# KiCad board pi60_HSE_v1.1.kicad_pcb (continued)
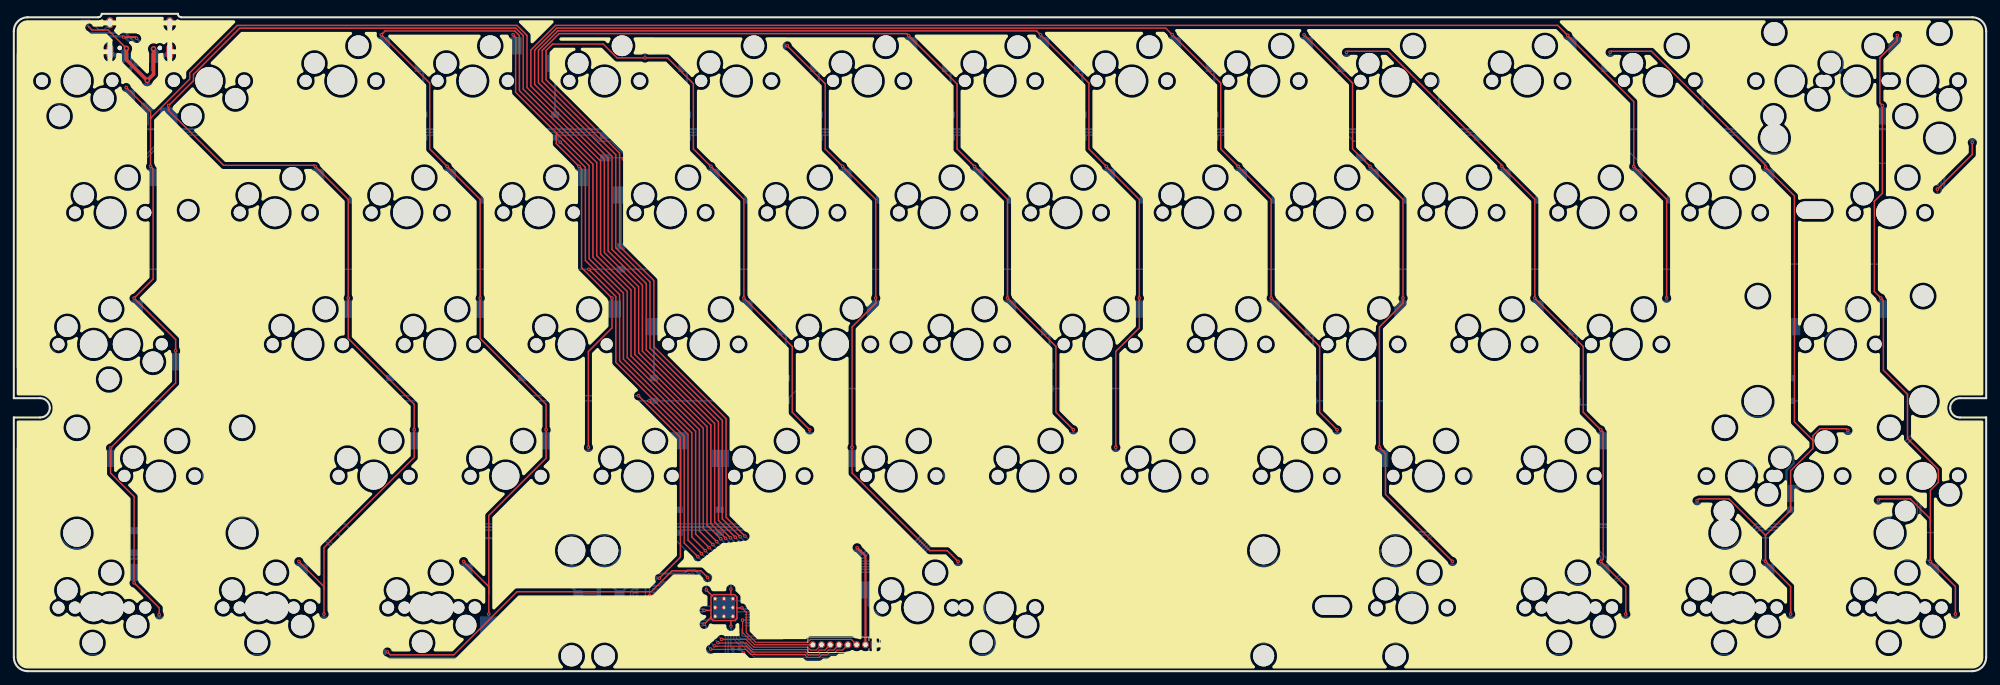
[diagram p0: board, top side]
## Copper pours and planes (outline as drawn; the poured copper is in the pictures) (continued)
+5V on Bottom: 16.56,77.22 16.67,77.22 16.77,77.22 16.85,77.21 16.93,77.19 16.99,77.18 17.06,77.16 17.12,77.13 17.18,77.1 17.34,77.02 17.8,77.47 17.34,77.92 17.18,77.85 17.12,77.82 17.06,77.79 16.99,77.77 16.93,77.76 16.85,77.74 16.77,77.73 16.67,77.73 16.56,77.72
+5V on Bottom: 127.46,78.14 127.39,78.07 127.32,78.02 127.26,77.99 127.19,77.97 127.13,77.96 127.07,77.96 127,77.96 126.85,77.97 126.77,77.97 126.52,77.37 127.13,77.15 127.2,77.24 127.26,77.32 127.3,77.39 127.37,77.53 127.41,77.6 127.46,77.67 127.51,77.75 127.58,77.83 127.67,77.93
+5V on Bottom: 91.06,78.14 90.99,78.07 90.92,78.03 90.86,77.99 90.79,77.97 90.73,77.96 90.67,77.96 90.6,77.96 90.45,77.97 90.37,77.97 90.12,77.37 90.73,77.15 90.8,77.24 90.86,77.32 90.9,77.39 90.98,77.53 91.01,77.6 91.06,77.67 91.11,77.75 91.18,77.83 91.27,77.93
+5V on Bottom: 273.27,77.02 273.18,77.11 273.11,77.19 273.05,77.27 273.01,77.34 272.97,77.41 272.9,77.55 272.86,77.62 272.8,77.7 272.73,77.79 272.12,77.58 272.36,76.97 272.44,76.98 272.6,76.99 272.66,76.99 272.73,76.99 272.79,76.98 272.85,76.95 272.91,76.92 272.98,76.87 273.06,76.8
+5V on Bottom: 19.52,80.37 19.52,80.51 19.54,80.63 19.55,80.74 19.58,80.83 19.61,80.91 19.64,80.99 19.68,81.06 19.78,81.24 19.83,81.35 19.27,81.93 18.71,81.35 18.76,81.24 18.86,81.06 18.9,80.99 18.93,80.91 18.96,80.83 18.99,80.74 19.01,80.63 19.02,80.51 19.02,80.37
+5V on Bottom: 200.26,78.14 200.19,78.07 200.12,78.02 200.06,77.99 199.99,77.97 199.93,77.96 199.87,77.96 199.8,77.96 199.65,77.97 199.57,77.97 199.32,77.37 199.93,77.15 200,77.24 200.06,77.32 200.1,77.39 200.17,77.53 200.21,77.6 200.26,77.67 200.31,77.75 200.38,77.83 200.47,77.93
+5V on Bottom: 82.55,11.36 82.44,11.37 82.34,11.38 82.26,11.4 82.19,11.43 82.13,11.46 82.07,11.49 81.94,11.57 81.87,11.62 81.78,11.66 81.31,11.21 81.78,10.76 81.87,10.81 81.94,10.86 82.07,10.94 82.13,10.97 82.19,11 82.26,11.03 82.34,11.05 82.44,11.06 82.55,11.06
+5V on Bottom: 120.86,16.97 120.97,16.97 121.07,16.96 121.15,16.94 121.22,16.91 121.28,16.88 121.34,16.85 121.47,16.77 121.55,16.72 121.63,16.67 122.1,17.12 121.63,17.57 121.55,17.53 121.47,17.48 121.34,17.4 121.28,17.37 121.22,17.34 121.15,17.31 121.07,17.29 120.97,17.28 120.86,17.27
+5V on Bottom: 49.97,16.67 49.88,16.77 49.81,16.85 49.76,16.93 49.71,17 49.68,17.07 49.6,17.21 49.56,17.28 49.5,17.36 49.44,17.45 48.82,17.23 49.07,16.63 49.15,16.63 49.3,16.64 49.37,16.64 49.43,16.64 49.49,16.63 49.56,16.61 49.62,16.57 49.69,16.53 49.76,16.46
+5V on Bottom: 53.03,77.93 53.12,77.83 53.19,77.75 53.25,77.67 53.29,77.6 53.33,77.53 53.4,77.39 53.45,77.32 53.5,77.24 53.57,77.15 54.18,77.37 53.94,77.97 53.85,77.97 53.7,77.96 53.63,77.96 53.57,77.96 53.51,77.97 53.45,77.99 53.38,78.02 53.32,78.07 53.24,78.14
+5V on Bottom: 263.01,16.67 262.92,16.76 262.85,16.84 262.79,16.92 262.75,16.99 262.71,17.06 262.64,17.2 262.6,17.27 262.54,17.35 262.48,17.44 261.86,17.23 262.1,16.62 262.19,16.63 262.34,16.64 262.4,16.64 262.47,16.64 262.53,16.62 262.59,16.6 262.66,16.57 262.72,16.52 262.8,16.45
+5V on Bottom: 125.83,77.93 125.92,77.83 125.99,77.75 126.05,77.67 126.09,77.6 126.13,77.53 126.2,77.39 126.25,77.32 126.3,77.24 126.37,77.15 126.98,77.37 126.74,77.97 126.65,77.97 126.5,77.96 126.43,77.96 126.37,77.96 126.31,77.97 126.25,77.99 126.18,78.02 126.12,78.07 126.04,78.14
+5V on Bottom: 163.86,78.15 163.78,78.08 163.72,78.03 163.65,78 163.59,77.98 163.53,77.96 163.46,77.96 163.4,77.96 163.25,77.97 163.16,77.97 162.92,77.37 163.54,77.16 163.61,77.25 163.66,77.33 163.7,77.4 163.77,77.54 163.81,77.61 163.85,77.68 163.91,77.76 163.98,77.84 164.07,77.93
+5V on Bottom: 11.66,16.87 11.77,16.87 11.87,16.87 11.95,16.86 12.03,16.84 12.09,16.83 12.16,16.81 12.22,16.78 12.28,16.75 12.44,16.67 12.9,17.12 12.44,17.57 12.28,17.5 12.22,17.47 12.16,17.44 12.09,17.42 12.03,17.41 11.95,17.39 11.87,17.38 11.77,17.38 11.66,17.37
+5V on Bottom: 18.08,78.35 18,78.27 17.93,78.21 17.86,78.16 17.8,78.12 17.74,78.08 17.68,78.05 17.62,78.03 17.55,78 17.39,77.95 17.38,77.3 18.03,77.31 18.08,77.47 18.11,77.54 18.13,77.6 18.16,77.66 18.2,77.72 18.24,77.78 18.29,77.85 18.35,77.92 18.43,78
+5V on Bottom: 122.84,17.27 122.73,17.28 122.63,17.29 122.55,17.31 122.48,17.34 122.42,17.37 122.36,17.4 122.23,17.48 122.16,17.53 122.07,17.57 121.6,17.12 122.07,16.67 122.16,16.72 122.23,16.77 122.36,16.85 122.42,16.88 122.48,16.91 122.55,16.94 122.63,16.96 122.73,16.97 122.84,16.97
+5V on Bottom: 190.92,17.58 191.01,17.48 191.08,17.4 191.14,17.32 191.18,17.25 191.22,17.18 191.29,17.04 191.34,16.97 191.39,16.89 191.46,16.8 192.07,17.02 191.83,17.62 191.74,17.62 191.59,17.61 191.52,17.61 191.46,17.61 191.4,17.62 191.34,17.64 191.27,17.67 191.21,17.72 191.13,17.79
+5V on Bottom: 54.66,78.14 54.59,78.07 54.52,78.03 54.46,77.99 54.39,77.97 54.33,77.96 54.27,77.96 54.2,77.96 54.05,77.97 53.97,77.97 53.72,77.37 54.34,77.15 54.4,77.24 54.46,77.32 54.5,77.39 54.58,77.53 54.61,77.6 54.66,77.67 54.71,77.75 54.78,77.83 54.87,77.93
+5V on Bottom: 13.57,16.67 13.48,16.76 13.41,16.84 13.36,16.92 13.31,16.99 13.28,17.06 13.2,17.2 13.16,17.27 13.11,17.35 13.04,17.44 12.43,17.23 12.66,16.62 12.75,16.63 12.9,16.64 12.96,16.64 13.03,16.64 13.09,16.62 13.15,16.6 13.22,16.57 13.28,16.52 13.36,16.45
+5V on Bottom: 236.66,78.14 236.59,78.07 236.52,78.02 236.46,77.99 236.39,77.97 236.33,77.96 236.27,77.96 236.2,77.96 236.05,77.97 235.97,77.97 235.72,77.37 236.33,77.15 236.4,77.24 236.46,77.32 236.5,77.39 236.57,77.53 236.61,77.6 236.66,77.67 236.71,77.75 236.78,77.83 236.87,77.93
+5V on Bottom: 48.58,17.88 48.63,17.82 48.66,17.77 48.69,17.72 48.7,17.66 48.7,17.61 48.69,17.56 48.67,17.51 48.65,17.45 48.6,17.33 49.06,16.87 49.41,17.48 48.79,18.09
+5V on Bottom: 231.76,17.78 231.69,17.71 231.63,17.66 231.56,17.63 231.5,17.61 231.44,17.6 231.38,17.6 231.31,17.6 231.17,17.62 231.08,17.62 230.82,17.03 231.42,16.79 231.49,16.88 231.55,16.96 231.6,17.03 231.64,17.1 231.71,17.23 231.76,17.31 231.82,17.38 231.89,17.47 231.98,17.56
+5V on Bottom: 89.43,77.93 89.52,77.84 89.59,77.76 89.65,77.68 89.69,77.61 89.73,77.54 89.8,77.4 89.84,77.33 89.9,77.25 89.97,77.16 90.58,77.37 90.34,77.97 90.26,77.97 90.11,77.96 90.04,77.96 89.97,77.96 89.91,77.97 89.85,78 89.79,78.03 89.72,78.08 89.65,78.15
+5V on Bottom: 162.23,77.93 162.32,77.83 162.39,77.75 162.44,77.67 162.49,77.6 162.53,77.53 162.6,77.39 162.64,77.32 162.7,77.24 162.77,77.15 163.38,77.37 163.13,77.97 163.05,77.97 162.9,77.96 162.83,77.96 162.77,77.96 162.71,77.97 162.65,77.99 162.58,78.02 162.52,78.07 162.44,78.14
+5V on Bottom: 235.03,77.93 235.12,77.84 235.19,77.76 235.25,77.68 235.29,77.61 235.33,77.54 235.4,77.4 235.44,77.33 235.49,77.25 235.56,77.16 236.18,77.37 235.94,77.97 235.85,77.97 235.7,77.96 235.64,77.96 235.57,77.96 235.51,77.98 235.45,78 235.39,78.03 235.32,78.08 235.25,78.15
+5V on Bottom: 198.63,77.93 198.72,77.83 198.79,77.75 198.84,77.67 198.89,77.6 198.93,77.53 199,77.39 199.04,77.32 199.1,77.24 199.17,77.15 199.78,77.37 199.53,77.97 199.45,77.97 199.3,77.96 199.23,77.96 199.17,77.96 199.11,77.97 199.05,77.99 198.98,78.03 198.92,78.07 198.84,78.14
GND on Top, Bottom: 24.03,94.92 285.38,94.92 285.38,-0.33 -0.37,-0.33 -0.37,94.92 12.13,94.92 12.13,95.52 24.03,95.52
/RUN on Top: 114.45,3.75 114.57,3.74 114.66,3.73 114.74,3.7 114.81,3.66 114.87,3.62 114.93,3.58 114.99,3.53 115.05,3.48 115.13,3.43 115.22,3.37 115.69,3.82 115.22,4.27 115.13,4.22 115.05,4.17 114.99,4.12 114.93,4.07 114.87,4.03 114.81,3.99 114.74,3.95 114.66,3.92 114.57,3.91 114.45,3.9
C5 on Bottom: 147.9,4.83 148.12,5.03 148.32,5.16 148.52,5.25 148.7,5.3 148.89,5.32 149.08,5.33 149.28,5.34 149.5,5.36 149.73,5.4 150,5.48 150.03,7.1 148.41,7.07 148.33,6.81 148.29,6.57 148.27,6.36 148.26,6.15 148.25,5.96 148.23,5.78 148.18,5.59 148.09,5.4 147.95,5.19 147.75,4.97
C5 on Bottom: 138.29,12.59 138.09,12.82 137.95,13.02 137.86,13.22 137.81,13.41 137.78,13.59 137.77,13.79 137.76,13.99 137.74,14.2 137.69,14.44 137.61,14.71 135.99,14.72 136.04,13.09 136.31,13.02 136.54,12.98 136.76,12.97 136.96,12.96 137.15,12.95 137.34,12.92 137.53,12.87 137.72,12.79 137.93,12.65 138.15,12.45
C9 on Bottom: 206.1,12.43 206.35,12.45 206.56,12.49 206.74,12.56 206.89,12.64 207.02,12.73 207.16,12.82 207.3,12.9 207.46,12.97 207.65,13.01 207.87,13.03 208.31,14.72 206.69,14.69 206.63,14.41 206.61,14.13 206.63,13.85 206.66,13.57 206.68,13.32 206.68,13.09 206.64,12.9 206.54,12.76 206.37,12.66 206.1,12.63
C10 on Bottom: 229.12,16.66 229.28,16.46 229.34,16.27 229.32,16.1 229.22,15.94 229.08,15.78 228.9,15.62 228.7,15.45 228.5,15.26 228.32,15.06 228.18,14.82 229.31,13.65 230.19,15.16 230.04,15.34 229.93,15.5 229.85,15.65 229.8,15.81 229.75,15.96 229.71,16.11 229.64,16.27 229.56,16.43 229.44,16.61 229.26,16.8
C12 on Bottom: 254.81,73.27 254.59,73.07 254.38,72.93 254.19,72.84 254,72.79 253.81,72.77 253.62,72.76 253.42,72.75 253.21,72.73 252.97,72.69 252.71,72.61 252.67,70.99 254.3,71.02 254.37,71.28 254.41,71.52 254.43,71.74 254.44,71.94 254.45,72.13 254.48,72.32 254.53,72.5 254.62,72.7 254.75,72.9 254.95,73.13
C12 on Bottom: 275.1,73.12 275.3,72.9 275.43,72.69 275.52,72.5 275.57,72.31 275.59,72.13 275.6,71.93 275.61,71.73 275.63,71.52 275.67,71.28 275.75,71.02 277.37,70.99 277.34,72.61 277.08,72.69 276.84,72.73 276.62,72.75 276.42,72.75 276.23,72.77 276.05,72.79 275.86,72.84 275.67,72.93 275.46,73.06 275.24,73.26
C12 on Bottom: 243.16,24.75 243.11,24.69 243.08,24.62 243.07,24.55 243.06,24.48 243.07,24.41 243.08,24.35 243.1,24.29 243.13,24.21 244.11,22.62 243.32,24.32 243.27,24.42 243.26,24.46 243.26,24.5 243.26,24.53 243.27,24.57 243.3,24.6
C12 on Bottom: 252.29,15.95 252.43,15.93 252.5,15.88 252.53,15.8 252.5,15.69 252.44,15.56 252.36,15.42 252.27,15.27 252.17,15.12 252.07,14.97 251.99,14.83 253.12,13.66 253.12,15.53 253,15.55 252.9,15.59 252.83,15.66 252.78,15.75 252.73,15.84 252.67,15.93 252.61,16.02 252.53,16.09 252.43,16.13 252.29,16.15
C13 on Bottom: 269.35,24.84 269.29,24.77 269.26,24.69 269.24,24.61 269.24,24.52 269.25,24.44 269.27,24.37 269.29,24.31 269.33,24.22 270.31,22.62 269.51,24.31 269.46,24.41 269.45,24.45 269.44,24.5 269.43,24.55 269.44,24.6 269.45,24.65 269.49,24.69
C13 on Bottom: 268.11,78.75 268.37,78.76 268.59,78.78 268.78,78.82 268.95,78.86 269.1,78.91 269.25,78.96 269.4,79 269.57,79.04 269.77,79.06 270.01,79.07 270.46,80.76 268.83,80.74 268.77,80.5 268.74,80.24 268.73,80 268.73,79.76 268.72,79.54 268.7,79.35 268.64,79.18 268.53,79.06 268.36,78.98 268.11,78.95
C13 on Bottom: 276.1,15.93 276.23,15.91 276.31,15.86 276.33,15.78 276.31,15.67 276.25,15.55 276.17,15.41 276.07,15.27 275.98,15.12 275.88,14.97 275.81,14.82 276.93,13.65 276.93,15.53 276.81,15.55 276.72,15.59 276.65,15.66 276.59,15.74 276.54,15.83 276.48,15.92 276.42,16 276.34,16.07 276.23,16.11 276.1,16.13
C13 on Bottom: 250.04,78.45 249.93,78.6 249.92,78.71 249.98,78.79 250.1,78.86 250.27,78.91 250.48,78.96 250.94,79.03 251.17,79.08 251.37,79.14 251.4,80.76 250.08,79.44 250.15,79.33 250.16,79.22 250.12,79.11 250.05,79 249.97,78.89 249.89,78.78 249.83,78.66 249.8,78.55 249.82,78.43 249.9,78.31
LED on Bottom: 126.01,16.5 126.08,16.56 126.15,16.61 126.22,16.64 126.28,16.66 126.35,16.66 126.41,16.66 126.49,16.65 126.56,16.64 126.64,16.63 126.74,16.63 126.98,17.23 126.37,17.45 126.3,17.36 126.25,17.27 126.21,17.2 126.17,17.12 126.14,17.05 126.11,16.98 126.07,16.9 126.02,16.82 125.96,16.73 125.87,16.64
Net-(D1-Pad2) on Bottom: 2.68,78.09 2.69,78.31 2.74,78.48 2.81,78.62 2.91,78.74 3.02,78.83 3.16,78.9 3.31,78.97 3.48,79.04 3.66,79.11 3.85,79.19 3.7,80.81 2.06,80.32 2.07,80.05 2.09,79.81 2.13,79.61 2.17,79.43 2.22,79.25 2.27,79.07 2.31,78.88 2.35,78.66 2.37,78.4 2.38,78.09
Net-(D2-Pad2) on Bottom: 35.49,80.5 35.51,80.76 35.54,80.98 35.6,81.16 35.67,81.32 35.76,81.46 35.87,81.59 35.98,81.72 36.09,81.86 36.21,82.01 36.33,82.18 35.26,83.48 34.31,82.08 34.44,81.93 34.57,81.79 34.69,81.67 34.81,81.55 34.92,81.42 35.01,81.29 35.09,81.14 35.14,80.96 35.18,80.75 35.19,80.5
Net-(D3-Pad2) on Bottom: 40.26,85.44 40.27,85.73 40.32,85.97 40.39,86.17 40.48,86.33 40.59,86.48 40.71,86.62 40.85,86.77 40.98,86.93 41.13,87.11 41.26,87.34 40.2,88.56 39.02,87.45 39.14,87.2 39.26,87 39.39,86.83 39.51,86.67 39.63,86.52 39.74,86.37 39.83,86.19 39.9,85.99 39.94,85.74 39.96,85.44
Net-(D4-Pad2) on Bottom: 59.31,85.43 59.32,85.72 59.37,85.96 59.44,86.16 59.53,86.33 59.64,86.48 59.76,86.62 59.9,86.76 60.03,86.92 60.17,87.11 60.31,87.34 59.24,88.56 58.07,87.45 58.19,87.2 58.31,87 58.44,86.82 58.57,86.67 58.68,86.52 58.79,86.36 58.88,86.19 58.95,85.98 58.99,85.73 59.01,85.43
Net-(D5-Pad2) on Bottom: 78.36,85.43 78.37,85.72 78.42,85.96 78.49,86.16 78.58,86.33 78.69,86.48 78.81,86.62 78.95,86.76 79.08,86.93 79.22,87.11 79.36,87.34 78.29,88.56 77.12,87.45 77.24,87.2 77.36,87 77.49,86.82 77.62,86.67 77.73,86.52 77.84,86.36 77.93,86.19 78,85.98 78.04,85.73 78.06,85.43
Net-(D6-Pad2) on Bottom: 97.41,85.43 97.42,85.72 97.47,85.96 97.54,86.16 97.63,86.33 97.74,86.48 97.86,86.62 98,86.76 98.13,86.93 98.27,87.11 98.41,87.34 97.34,88.56 96.17,87.45 96.29,87.2 96.41,87 96.54,86.82 96.67,86.67 96.78,86.52 96.89,86.36 96.98,86.19 97.05,85.98 97.09,85.73 97.11,85.43
Net-(D7-Pad2) on Bottom: 116.46,85.43 116.47,85.73 116.52,85.96 116.59,86.16 116.68,86.33 116.79,86.48 116.91,86.62 117.05,86.76 117.18,86.93 117.32,87.11 117.46,87.34 116.39,88.56 115.22,87.45 115.34,87.2 115.46,87 115.59,86.82 115.72,86.67 115.83,86.52 115.94,86.36 116.03,86.19 116.1,85.98 116.14,85.73 116.16,85.43
Net-(D8-Pad2) on Bottom: 135.51,85.43 135.52,85.73 135.57,85.96 135.64,86.16 135.73,86.33 135.84,86.48 135.96,86.62 136.1,86.76 136.23,86.93 136.37,87.11 136.51,87.34 135.44,88.56 134.27,87.45 134.39,87.2 134.51,87 134.64,86.82 134.77,86.67 134.88,86.52 134.99,86.36 135.08,86.19 135.15,85.98 135.19,85.73 135.21,85.43
Net-(D9-Pad2) on Bottom: 154.56,85.43 154.57,85.73 154.62,85.96 154.69,86.16 154.78,86.33 154.89,86.48 155.01,86.62 155.15,86.76 155.28,86.93 155.42,87.11 155.56,87.34 154.49,88.56 153.32,87.45 153.44,87.2 153.56,87 153.69,86.82 153.82,86.67 153.93,86.52 154.04,86.36 154.13,86.19 154.2,85.98 154.24,85.73 154.26,85.43
Net-(D10-Pad2) on Bottom: 173.61,85.43 173.62,85.73 173.67,85.97 173.74,86.16 173.83,86.33 173.94,86.48 174.06,86.62 174.2,86.76 174.33,86.93 174.47,87.12 174.61,87.34 173.54,88.56 172.37,87.45 172.49,87.2 172.61,87 172.74,86.82 172.87,86.67 172.98,86.52 173.09,86.36 173.18,86.19 173.25,85.98 173.29,85.73 173.31,85.43
Net-(D11-Pad2) on Bottom: 206.06,88.04 206.07,88.37 206.12,88.64 206.18,88.87 206.26,89.06 206.35,89.24 206.44,89.42 206.53,89.6 206.62,89.81 206.69,90.05 206.73,90.34 205.29,91.07 204.61,89.59 204.79,89.43 204.96,89.29 205.12,89.18 205.27,89.07 205.41,88.95 205.53,88.83 205.62,88.69 205.7,88.52 205.74,88.31 205.76,88.04
Net-(D12-Pad2) on Bottom: 211.71,85.43 211.72,85.73 211.77,85.97 211.84,86.16 211.93,86.33 212.04,86.48 212.16,86.62 212.3,86.76 212.43,86.93 212.57,87.12 212.71,87.34 211.64,88.56 210.47,87.45 210.59,87.2 210.71,87 210.84,86.82 210.97,86.67 211.08,86.52 211.19,86.36 211.28,86.19 211.35,85.98 211.39,85.73 211.41,85.43
Net-(D13-Pad2) on Bottom: 244.16,88.04 244.17,88.37 244.22,88.64 244.28,88.87 244.36,89.06 244.45,89.24 244.54,89.42 244.63,89.6 244.72,89.81 244.78,90.05 244.83,90.34 243.38,91.07 242.71,89.59 242.89,89.43 243.06,89.29 243.22,89.18 243.37,89.07 243.51,88.95 243.63,88.83 243.72,88.69 243.8,88.52 243.84,88.31 243.86,88.04
Net-(D14-Pad2) on Bottom: 264.09,80.5 264.11,80.76 264.14,80.98 264.2,81.16 264.27,81.32 264.36,81.46 264.47,81.59 264.58,81.72 264.69,81.86 264.81,82.01 264.93,82.18 263.86,83.48 262.91,82.08 263.04,81.93 263.17,81.79 263.29,81.67 263.41,81.55 263.52,81.42 263.61,81.29 263.69,81.14 263.74,80.96 263.78,80.75 263.79,80.5
Net-(D14-Pad2) on Bottom: 260.89,89.81 260.67,89.61 260.47,89.47 260.28,89.38 260.1,89.32 259.91,89.29 259.73,89.28 259.53,89.26 259.32,89.24 259.09,89.2 258.83,89.12 258.8,87.5 260.42,87.53 260.5,87.79 260.54,88.02 260.56,88.23 260.58,88.43 260.59,88.62 260.62,88.8 260.68,88.98 260.77,89.17 260.91,89.37 261.11,89.59
Net-(D14-Pad2) on Bottom: 263.74,85.35 263.72,85.05 263.67,84.81 263.6,84.61 263.51,84.45 263.41,84.29 263.29,84.15 263.16,84 263.02,83.84 262.89,83.64 262.76,83.4 263.89,82.23 265.01,83.4 264.88,83.64 264.75,83.84 264.62,84 264.49,84.15 264.37,84.29 264.26,84.45 264.17,84.61 264.1,84.81 264.05,85.05 264.04,85.35
Net-(D15-Pad2) on Bottom: 283.14,80.5 283.16,80.76 283.19,80.98 283.25,81.16 283.32,81.32 283.41,81.46 283.52,81.59 283.63,81.72 283.74,81.86 283.86,82.01 283.98,82.18 282.91,83.48 281.96,82.08 282.09,81.93 282.22,81.79 282.34,81.67 282.46,81.55 282.57,81.42 282.66,81.29 282.74,81.14 282.79,80.96 282.83,80.75 282.84,80.5
Net-(D16-Pad2) on Bottom: 6.92,66.39 6.94,66.68 6.98,66.92 7.05,67.12 7.14,67.28 7.25,67.43 7.38,67.57 7.51,67.72 7.65,67.88 7.79,68.06 7.93,68.29 6.86,69.51 5.68,68.4 5.8,68.15 5.93,67.95 6.05,67.78 6.18,67.62 6.29,67.47 6.4,67.32 6.49,67.14 6.56,66.94 6.6,66.69 6.62,66.39
Net-(D17-Pad2) on Bottom: 30.73,66.39 30.75,66.68 30.79,66.92 30.86,67.12 30.96,67.28 31.06,67.43 31.19,67.57 31.32,67.72 31.46,67.88 31.6,68.06 31.74,68.29 30.67,69.51 29.49,68.4 29.61,68.15 29.74,67.95 29.86,67.78 29.99,67.62 30.11,67.47 30.21,67.32 30.3,67.14 30.37,66.94 30.42,66.69 30.43,66.39
Net-(D18-Pad2) on Bottom: 49.78,66.38 49.8,66.67 49.84,66.91 49.91,67.11 50,67.28 50.11,67.43 50.24,67.57 50.37,67.71 50.51,67.87 50.65,68.06 50.79,68.29 49.72,69.51 48.54,68.4 48.66,68.15 48.79,67.95 48.92,67.77 49.04,67.62 49.16,67.47 49.26,67.31 49.35,67.14 49.42,66.93 49.47,66.68 49.48,66.38
Net-(D19-Pad2) on Bottom: 68.83,66.38 68.85,66.67 68.89,66.91 68.96,67.11 69.05,67.28 69.16,67.43 69.29,67.57 69.42,67.71 69.56,67.88 69.7,68.06 69.84,68.29 68.77,69.51 67.59,68.4 67.71,68.15 67.84,67.95 67.97,67.77 68.09,67.62 68.21,67.47 68.31,67.31 68.4,67.14 68.47,66.93 68.52,66.68 68.53,66.38
Net-(D20-Pad2) on Bottom: 87.88,66.38 87.9,66.67 87.94,66.91 88.01,67.11 88.1,67.28 88.21,67.43 88.34,67.57 88.47,67.71 88.61,67.88 88.75,68.06 88.89,68.29 87.82,69.51 86.64,68.4 86.76,68.15 86.89,67.95 87.02,67.77 87.14,67.62 87.26,67.47 87.36,67.31 87.45,67.14 87.52,66.93 87.57,66.68 87.58,66.38
Net-(D21-Pad2) on Bottom: 106.93,66.38 106.95,66.68 106.99,66.91 107.06,67.11 107.15,67.28 107.26,67.43 107.39,67.57 107.52,67.71 107.66,67.88 107.8,68.06 107.94,68.29 106.87,69.51 105.69,68.4 105.81,68.15 105.94,67.95 106.07,67.77 106.19,67.62 106.31,67.47 106.41,67.31 106.5,67.14 106.57,66.93 106.62,66.68 106.63,66.38
Net-(D22-Pad2) on Bottom: 125.98,66.38 126,66.68 126.04,66.91 126.11,67.11 126.2,67.28 126.31,67.43 126.44,67.57 126.57,67.71 126.71,67.88 126.85,68.06 126.99,68.29 125.92,69.51 124.74,68.4 124.86,68.15 124.99,67.95 125.12,67.77 125.24,67.62 125.36,67.47 125.46,67.31 125.55,67.14 125.62,66.93 125.67,66.68 125.68,66.38
Net-(D23-Pad2) on Bottom: 145.03,66.38 145.05,66.68 145.09,66.91 145.16,67.11 145.26,67.28 145.36,67.43 145.49,67.57 145.62,67.71 145.76,67.88 145.9,68.07 146.04,68.29 144.97,69.51 143.79,68.4 143.91,68.15 144.04,67.95 144.17,67.77 144.29,67.62 144.41,67.47 144.51,67.31 144.6,67.14 144.67,66.93 144.72,66.68 144.73,66.38
Net-(D24-Pad2) on Bottom: 164.08,66.38 164.1,66.68 164.14,66.92 164.21,67.11 164.31,67.28 164.41,67.43 164.54,67.57 164.67,67.71 164.81,67.88 164.95,68.07 165.09,68.29 164.02,69.51 162.84,68.4 162.96,68.15 163.09,67.95 163.22,67.77 163.34,67.62 163.46,67.47 163.56,67.31 163.65,67.14 163.72,66.93 163.77,66.68 163.78,66.38
Net-(D25-Pad2) on Bottom: 183.13,66.38 183.15,66.68 183.19,66.92 183.26,67.11 183.36,67.28 183.46,67.43 183.59,67.57 183.72,67.71 183.86,67.88 184,68.07 184.14,68.29 183.07,69.51 181.89,68.4 182.01,68.15 182.14,67.95 182.27,67.77 182.39,67.62 182.51,67.47 182.61,67.31 182.7,67.14 182.77,66.93 182.82,66.68 182.83,66.38
Net-(D26-Pad2) on Bottom: 202.18,66.38 202.2,66.68 202.24,66.92 202.31,67.11 202.41,67.28 202.51,67.43 202.64,67.57 202.77,67.71 202.91,67.88 203.05,68.07 203.19,68.29 202.12,69.51 200.94,68.4 201.06,68.15 201.19,67.95 201.32,67.77 201.44,67.62 201.56,67.47 201.66,67.31 201.75,67.14 201.82,66.93 201.87,66.68 201.88,66.38
Net-(D27-Pad2) on Bottom: 221.23,66.38 221.25,66.68 221.29,66.92 221.36,67.11 221.46,67.28 221.56,67.43 221.69,67.57 221.82,67.71 221.96,67.88 222.1,68.07 222.24,68.29 221.17,69.51 219.99,68.4 220.11,68.15 220.24,67.95 220.37,67.77 220.49,67.62 220.61,67.47 220.71,67.31 220.8,67.14 220.87,66.93 220.92,66.68 220.93,66.38
Net-(D28-Pad2) on Bottom: 240.28,66.38 240.3,66.68 240.34,66.92 240.41,67.11 240.51,67.28 240.61,67.43 240.74,67.57 240.87,67.71 241.01,67.88 241.15,68.07 241.29,68.29 240.22,69.51 239.04,68.4 239.16,68.15 239.29,67.95 239.42,67.77 239.54,67.62 239.66,67.47 239.76,67.31 239.85,67.14 239.92,66.93 239.97,66.68 239.98,66.38
Net-(D29-Pad2) on Bottom: 264.09,66.38 264.11,66.68 264.16,66.92 264.23,67.11 264.32,67.28 264.43,67.43 264.55,67.57 264.68,67.71 264.82,67.88 264.96,68.07 265.1,68.29 264.03,69.51 262.85,68.4 262.97,68.15 263.1,67.95 263.23,67.77 263.35,67.62 263.47,67.47 263.58,67.31 263.66,67.14 263.73,66.93 263.78,66.69 263.79,66.38
Net-(D30-Pad2) on Bottom: 4.7,47.51 4.55,47.71 4.49,47.89 4.51,48.05 4.59,48.21 4.73,48.37 4.9,48.53 5.08,48.69 5.27,48.87 5.44,49.07 5.57,49.29 4.45,50.46 3.56,48.96 3.72,48.78 3.82,48.62 3.9,48.46 3.95,48.31 4,48.15 4.04,48 4.11,47.84 4.19,47.67 4.32,47.49 4.49,47.3
Net-(D30-Pad2) on Bottom: 8.59,43.87 8.78,43.65 8.92,43.45 9.01,43.26 9.07,43.08 9.1,42.9 9.12,42.71 9.13,42.51 9.15,42.3 9.2,42.07 9.27,41.81 10.89,41.78 10.86,43.4 10.6,43.48 10.37,43.52 10.16,43.54 9.96,43.56 9.78,43.57 9.59,43.6 9.41,43.66 9.22,43.75 9.02,43.89 8.8,44.09
Net-(D31-Pad2) on Bottom: 35.49,47.34 35.51,47.63 35.56,47.87 35.63,48.07 35.72,48.23 35.83,48.38 35.95,48.52 36.08,48.67 36.22,48.83 36.36,49.02 36.5,49.24 35.43,50.46 34.25,49.35 34.37,49.1 34.5,48.9 34.63,48.73 34.75,48.57 34.87,48.42 34.97,48.27 35.06,48.09 35.13,47.89 35.18,47.64 35.19,47.34
Net-(D32-Pad2) on Bottom: 54.54,47.33 54.56,47.62 54.61,47.86 54.68,48.06 54.77,48.23 54.88,48.38 55,48.52 55.13,48.66 55.27,48.83 55.41,49.01 55.55,49.24 54.48,50.46 53.3,49.35 53.42,49.1 53.55,48.9 53.68,48.72 53.8,48.57 53.92,48.42 54.03,48.26 54.11,48.09 54.18,47.88 54.23,47.63 54.24,47.33
Net-(D33-Pad2) on Bottom: 73.59,47.33 73.61,47.62 73.66,47.86 73.73,48.06 73.82,48.23 73.93,48.38 74.05,48.52 74.18,48.66 74.32,48.83 74.46,49.01 74.6,49.24 73.53,50.46 72.35,49.35 72.47,49.1 72.6,48.9 72.73,48.72 72.85,48.57 72.97,48.42 73.08,48.26 73.16,48.09 73.23,47.88 73.28,47.63 73.29,47.33
Net-(D34-Pad2) on Bottom: 92.64,47.33 92.66,47.63 92.71,47.86 92.78,48.06 92.87,48.23 92.98,48.38 93.1,48.52 93.23,48.66 93.37,48.83 93.51,49.01 93.65,49.24 92.58,50.46 91.4,49.35 91.52,49.1 91.65,48.9 91.78,48.72 91.9,48.57 92.02,48.42 92.13,48.26 92.21,48.09 92.28,47.88 92.33,47.63 92.34,47.33
Net-(D35-Pad2) on Bottom: 111.69,47.33 111.71,47.63 111.76,47.86 111.83,48.06 111.92,48.23 112.03,48.38 112.15,48.52 112.28,48.66 112.42,48.83 112.56,49.01 112.7,49.24 111.63,50.46 110.45,49.35 110.57,49.1 110.7,48.9 110.83,48.72 110.95,48.57 111.07,48.42 111.18,48.26 111.26,48.09 111.33,47.88 111.38,47.63 111.39,47.33
Net-(D36-Pad2) on Bottom: 131.15,47.38 131.17,47.7 131.21,47.97 131.28,48.19 131.36,48.39 131.45,48.56 131.55,48.73 131.65,48.91 131.74,49.11 131.82,49.35 131.88,49.63 130.48,50.44 129.72,49 129.9,48.83 130.07,48.68 130.23,48.55 130.37,48.44 130.51,48.32 130.62,48.19 130.72,48.04 130.79,47.87 130.84,47.65 130.85,47.38
Net-(D37-Pad2) on Bottom: 149.79,47.33 149.81,47.63 149.86,47.87 149.93,48.06 150.02,48.23 150.13,48.38 150.25,48.52 150.38,48.66 150.52,48.83 150.66,49.02 150.8,49.24 149.73,50.46 148.55,49.35 148.67,49.1 148.8,48.9 148.93,48.72 149.05,48.57 149.17,48.42 149.28,48.26 149.36,48.09 149.43,47.88 149.48,47.63 149.49,47.33
Net-(D38-Pad2) on Bottom: 168.84,47.33 168.86,47.63 168.91,47.87 168.98,48.06 169.07,48.23 169.18,48.38 169.3,48.52 169.43,48.66 169.57,48.83 169.71,49.02 169.85,49.24 168.78,50.46 167.6,49.35 167.72,49.1 167.85,48.9 167.98,48.72 168.1,48.57 168.22,48.42 168.33,48.26 168.41,48.09 168.48,47.88 168.53,47.63 168.54,47.33
Net-(D39-Pad2) on Bottom: 187.89,47.33 187.91,47.63 187.96,47.87 188.03,48.06 188.12,48.23 188.23,48.38 188.35,48.52 188.48,48.66 188.62,48.83 188.76,49.02 188.9,49.24 187.83,50.46 186.65,49.35 186.77,49.1 186.9,48.9 187.03,48.72 187.15,48.57 187.27,48.42 187.38,48.26 187.46,48.09 187.53,47.88 187.58,47.63 187.59,47.33
Net-(D40-Pad2) on Bottom: 206.94,47.33 206.96,47.63 207.01,47.87 207.08,48.06 207.17,48.23 207.28,48.38 207.4,48.52 207.53,48.66 207.67,48.83 207.81,49.02 207.95,49.24 206.88,50.46 205.7,49.35 205.82,49.1 205.95,48.9 206.08,48.72 206.2,48.57 206.32,48.42 206.43,48.26 206.51,48.09 206.58,47.88 206.63,47.63 206.64,47.33
Net-(D41-Pad2) on Bottom: 225.99,47.33 226.01,47.63 226.06,47.87 226.13,48.06 226.22,48.23 226.33,48.38 226.45,48.52 226.58,48.66 226.72,48.83 226.86,49.02 227,49.24 225.93,50.46 224.75,49.35 224.87,49.1 225,48.9 225.13,48.72 225.25,48.57 225.37,48.42 225.48,48.26 225.56,48.09 225.63,47.88 225.68,47.63 225.69,47.33
Net-(D42-Pad2) on Bottom: 256.95,47.33 256.97,47.63 257.01,47.87 257.08,48.06 257.17,48.23 257.28,48.38 257.41,48.52 257.54,48.66 257.68,48.83 257.82,49.02 257.96,49.24 256.89,50.46 255.71,49.35 255.83,49.1 255.96,48.9 256.08,48.72 256.21,48.57 256.33,48.42 256.43,48.26 256.52,48.09 256.59,47.88 256.64,47.64 256.65,47.33
Net-(D43-Pad2) on Bottom: 27.46,30.9 27.48,31.22 27.52,31.49 27.59,31.72 27.67,31.92 27.76,32.09 27.85,32.27 27.94,32.45 28.02,32.66 28.09,32.9 28.14,33.19 26.69,33.92 26.02,32.44 26.2,32.28 26.37,32.14 26.53,32.03 26.68,31.92 26.82,31.81 26.93,31.68 27.03,31.54 27.1,31.37 27.15,31.16 27.16,30.9
Net-(D44-Pad2) on Bottom: 45.02,28.28 45.04,28.57 45.08,28.81 45.15,29.01 45.24,29.18 45.35,29.33 45.47,29.47 45.61,29.61 45.75,29.78 45.89,29.96 46.03,30.19 44.96,31.41 43.78,30.3 43.9,30.05 44.03,29.85 44.15,29.67 44.28,29.52 44.39,29.37 44.5,29.21 44.59,29.04 44.66,28.83 44.7,28.58 44.72,28.28
Net-(D45-Pad2) on Bottom: 64.07,28.28 64.09,28.58 64.13,28.81 64.2,29.01 64.29,29.18 64.4,29.33 64.52,29.47 64.66,29.61 64.8,29.78 64.94,29.96 65.08,30.19 64.01,31.41 62.83,30.3 62.95,30.05 63.08,29.85 63.2,29.67 63.33,29.52 63.44,29.37 63.55,29.21 63.64,29.04 63.71,28.83 63.75,28.58 63.77,28.28
Net-(D46-Pad2) on Bottom: 96.52,30.9 96.54,31.22 96.58,31.49 96.64,31.72 96.72,31.92 96.81,32.09 96.91,32.27 97,32.45 97.08,32.66 97.15,32.9 97.2,33.19 95.75,33.92 95.07,32.44 95.25,32.28 95.42,32.14 95.59,32.03 95.74,31.92 95.87,31.81 95.99,31.68 96.09,31.54 96.16,31.37 96.2,31.16 96.22,30.9
Net-(D47-Pad2) on Bottom: 102.17,28.28 102.19,28.58 102.23,28.81 102.3,29.01 102.39,29.18 102.5,29.33 102.62,29.47 102.76,29.61 102.9,29.78 103.04,29.97 103.18,30.19 102.11,31.41 100.93,30.3 101.05,30.05 101.18,29.85 101.3,29.67 101.43,29.52 101.54,29.37 101.65,29.21 101.74,29.04 101.81,28.83 101.85,28.58 101.87,28.28
Net-(D48-Pad2) on Bottom: 134.62,30.9 134.64,31.22 134.68,31.49 134.74,31.72 134.82,31.92 134.91,32.09 135.01,32.27 135.1,32.45 135.18,32.66 135.25,32.9 135.3,33.19 133.85,33.92 133.17,32.44 133.35,32.28 133.52,32.14 133.69,32.03 133.84,31.92 133.97,31.81 134.09,31.68 134.19,31.54 134.26,31.37 134.3,31.16 134.32,30.9
Net-(D49-Pad2) on Bottom: 140.27,28.28 140.29,28.58 140.33,28.82 140.4,29.01 140.49,29.18 140.6,29.33 140.72,29.47 140.86,29.61 141,29.78 141.14,29.97 141.28,30.19 140.21,31.41 139.03,30.3 139.15,30.05 139.28,29.85 139.4,29.67 139.53,29.52 139.64,29.37 139.75,29.21 139.84,29.04 139.91,28.83 139.95,28.58 139.97,28.28
Net-(D50-Pad2) on Bottom: 172.72,30.9 172.73,31.22 172.78,31.49 172.84,31.72 172.92,31.92 173.01,32.09 173.11,32.27 173.2,32.45 173.28,32.66 173.35,32.9 173.4,33.19 171.95,33.92 171.27,32.44 171.45,32.28 171.62,32.14 171.79,32.03 171.94,31.92 172.07,31.81 172.19,31.68 172.29,31.54 172.36,31.37 172.4,31.16 172.42,30.9
Net-(D51-Pad2) on Bottom: 178.37,28.28 178.39,28.58 178.43,28.82 178.5,29.01 178.59,29.18 178.7,29.33 178.82,29.47 178.96,29.61 179.1,29.78 179.24,29.97 179.38,30.19 178.31,31.41 177.13,30.3 177.25,30.05 177.38,29.85 177.5,29.67 177.63,29.52 177.74,29.37 177.85,29.21 177.94,29.04 178.01,28.83 178.05,28.58 178.07,28.28
Net-(D52-Pad2) on Bottom: 210.82,30.9 210.83,31.22 210.88,31.49 210.94,31.72 211.02,31.92 211.11,32.09 211.21,32.27 211.3,32.45 211.38,32.66 211.45,32.9 211.5,33.19 210.05,33.92 209.37,32.44 209.55,32.28 209.72,32.14 209.89,32.03 210.04,31.92 210.17,31.81 210.29,31.68 210.39,31.54 210.46,31.37 210.5,31.16 210.52,30.9
Net-(D53-Pad2) on Bottom: 216.47,28.28 216.49,28.58 216.53,28.82 216.6,29.01 216.69,29.18 216.8,29.33 216.92,29.47 217.06,29.61 217.2,29.78 217.34,29.97 217.48,30.19 216.41,31.41 215.23,30.3 215.35,30.05 215.48,29.85 215.6,29.67 215.73,29.52 215.84,29.37 215.95,29.21 216.04,29.04 216.11,28.83 216.15,28.59 216.17,28.28
Net-(D54-Pad2) on Bottom: 253.75,32.66 253.53,32.46 253.33,32.32 253.14,32.23 252.95,32.17 252.77,32.14 252.58,32.13 252.39,32.11 252.18,32.09 251.94,32.05 251.69,31.97 251.65,30.35 253.28,30.38 253.35,30.64 253.4,30.87 253.42,31.08 253.43,31.28 253.45,31.47 253.48,31.65 253.53,31.83 253.63,32.02 253.76,32.22 253.96,32.44
Net-(D54-Pad2) on Bottom: 256.89,23.42 256.9,23.66 256.94,23.86 256.99,24.03 257.06,24.18 257.15,24.31 257.25,24.43 257.36,24.54 257.47,24.66 257.59,24.78 257.71,24.92 256.74,26.33 255.77,24.92 255.89,24.78 256.01,24.66 256.13,24.54 256.24,24.43 256.33,24.31 256.42,24.18 256.49,24.03 256.55,23.86 256.58,23.66 256.59,23.42
Net-(D54-Pad2) on Bottom: 256,28.06 255.98,27.73 255.94,27.46 255.89,27.22 255.82,27.02 255.74,26.83 255.67,26.65 255.6,26.46 255.54,26.25 255.51,26 255.49,25.71 257.04,25.16 257.47,26.72 257.28,26.85 257.1,26.95 256.94,27.05 256.78,27.14 256.64,27.23 256.53,27.34 256.43,27.47 256.36,27.62 256.31,27.82 256.3,28.06
Net-(D55-Pad2) on Bottom: 282.55,23.35 282.56,23.59 282.61,23.79 282.68,23.95 282.77,24.08 282.89,24.19 283.02,24.29 283.17,24.38 283.33,24.47 283.5,24.58 283.68,24.71 283.2,26.28 281.69,25.64 281.72,25.36 281.77,25.13 281.83,24.92 281.91,24.74 281.99,24.56 282.07,24.37 282.14,24.17 282.2,23.95 282.24,23.67 282.25,23.35
Net-(D56-Pad2) on Bottom: 4.6,9.25 4.61,9.55 4.66,9.79 4.73,9.99 4.82,10.16 4.93,10.31 5.05,10.45 5.18,10.6 5.31,10.76 5.44,10.96 5.57,11.2 4.45,12.37 3.32,11.2 3.45,10.96 3.59,10.76 3.72,10.6 3.85,10.45 3.97,10.31 4.08,10.16 4.17,9.99 4.24,9.79 4.28,9.55 4.3,9.25
Net-(D56-Pad2) on Bottom: 6.2,5.77 6.4,5.55 6.54,5.35 6.63,5.16 6.69,4.98 6.72,4.8 6.73,4.61 6.75,4.41 6.77,4.2 6.82,3.97 6.89,3.71 8.51,3.68 8.48,5.3 8.22,5.38 7.99,5.42 7.78,5.44 7.58,5.46 7.4,5.47 7.21,5.5 7.03,5.56 6.84,5.65 6.64,5.79 6.42,5.99
Net-(D57-Pad2) on Bottom: 30.02,5.77 30.21,5.55 30.35,5.35 30.44,5.16 30.5,4.98 30.53,4.8 30.55,4.61 30.56,4.41 30.58,4.2 30.63,3.97 30.7,3.71 32.33,3.68 32.29,5.3 32.04,5.38 31.8,5.42 31.59,5.44 31.4,5.46 31.21,5.47 31.03,5.5 30.84,5.56 30.65,5.65 30.45,5.79 30.23,5.99
Net-(D57-Pad2) on Bottom: 28.41,9.25 28.43,9.55 28.47,9.79 28.54,9.99 28.63,10.16 28.74,10.31 28.86,10.45 28.99,10.6 29.12,10.76 29.26,10.96 29.38,11.2 28.26,12.37 27.13,11.2 27.26,10.96 27.4,10.76 27.53,10.6 27.66,10.45 27.78,10.31 27.89,10.16 27.98,9.99 28.05,9.79 28.09,9.55 28.11,9.25
Net-(D58-Pad2) on Bottom: 53.83,5.77 54.03,5.55 54.17,5.35 54.26,5.16 54.31,4.98 54.34,4.8 54.36,4.61 54.37,4.41 54.4,4.2 54.44,3.97 54.52,3.71 56.14,3.68 56.11,5.3 55.85,5.38 55.62,5.42 55.4,5.44 55.21,5.46 55.02,5.47 54.84,5.5 54.65,5.56 54.46,5.65 54.26,5.79 54.04,5.99
Net-(D58-Pad2) on Bottom: 52.22,9.25 52.24,9.55 52.28,9.79 52.35,9.99 52.44,10.16 52.55,10.31 52.67,10.45 52.8,10.6 52.93,10.76 53.07,10.96 53.2,11.2 52.07,12.37 50.95,11.2 51.08,10.96 51.21,10.76 51.34,10.6 51.47,10.45 51.59,10.31 51.7,10.16 51.79,9.99 51.86,9.79 51.91,9.55 51.92,9.25
Net-(D59-Pad2) on Bottom: 123.83,9.43 123.67,9.63 123.61,9.81 123.63,9.97 123.71,10.13 123.83,10.28 123.99,10.44 124.17,10.6 124.34,10.78 124.5,10.98 124.63,11.2 123.51,12.37 122.62,10.86 122.78,10.68 122.89,10.52 122.98,10.37 123.04,10.22 123.09,10.07 123.15,9.92 123.22,9.76 123.31,9.59 123.44,9.42 123.62,9.22
Net-(D59-Pad2) on Bottom: 134.17,3.97 134.46,3.95 134.71,3.91 134.9,3.84 135.07,3.75 135.22,3.64 135.37,3.52 135.52,3.39 135.68,3.26 135.88,3.12 136.11,2.99 137.28,4.12 136.11,5.24 135.88,5.12 135.68,4.98 135.52,4.85 135.37,4.72 135.22,4.6 135.07,4.49 134.9,4.4 134.71,4.33 134.46,4.29 134.17,4.27
Net-(D60-Pad2) on Bottom: 195.1,9.25 195.11,9.55 195.16,9.79 195.23,9.99 195.32,10.16 195.43,10.31 195.55,10.45 195.67,10.6 195.81,10.76 195.94,10.96 196.07,11.2 194.95,12.37 193.82,11.2 193.95,10.96 194.08,10.76 194.22,10.6 194.35,10.45 194.47,10.31 194.57,10.16 194.66,9.99 194.73,9.79 194.78,9.55 194.8,9.25
Net-(D61-Pad2) on Bottom: 218.13,5.77 218.33,5.55 218.47,5.35 218.56,5.16 218.62,4.98 218.65,4.8 218.66,4.61 218.68,4.41 218.7,4.2 218.75,3.97 218.82,3.71 220.44,3.68 220.41,5.3 220.15,5.38 219.92,5.42 219.71,5.44 219.51,5.46 219.33,5.47 219.14,5.5 218.96,5.56 218.77,5.65 218.57,5.79 218.35,5.99
Net-(D61-Pad2) on Bottom: 216.53,9.25 216.54,9.55 216.59,9.79 216.66,9.99 216.75,10.15 216.86,10.3 216.98,10.45 217.11,10.6 217.24,10.76 217.37,10.96 217.5,11.19 216.38,12.36 215.25,11.19 215.38,10.96 215.52,10.76 215.65,10.6 215.78,10.45 215.9,10.3 216.01,10.15 216.1,9.99 216.17,9.79 216.21,9.55 216.23,9.25
Net-(D62-Pad2) on Bottom: 241.95,5.77 242.14,5.55 242.28,5.35 242.37,5.16 242.43,4.98 242.46,4.8 242.48,4.61 242.49,4.41 242.51,4.2 242.56,3.97 242.63,3.71 244.26,3.68 244.22,5.3 243.97,5.38 243.73,5.42 243.52,5.44 243.32,5.46 243.14,5.47 242.96,5.5 242.77,5.56 242.58,5.65 242.38,5.79 242.16,5.99
Net-(D62-Pad2) on Bottom: 240.34,9.25 240.36,9.55 240.4,9.79 240.47,9.99 240.56,10.16 240.67,10.31 240.79,10.45 240.92,10.6 241.05,10.76 241.19,10.96 241.32,11.2 240.19,12.37 239.07,11.2 239.2,10.96 239.33,10.76 239.46,10.6 239.59,10.45 239.71,10.31 239.82,10.16 239.91,9.99 239.98,9.79 240.03,9.55 240.04,9.25
Net-(D63-Pad2) on Bottom: 264.15,9.25 264.17,9.55 264.21,9.79 264.28,9.99 264.38,10.15 264.48,10.3 264.6,10.45 264.73,10.6 264.87,10.76 265,10.96 265.13,11.19 264,12.36 262.88,11.19 263.01,10.96 263.14,10.76 263.27,10.6 263.4,10.45 263.52,10.3 263.63,10.15 263.72,9.99 263.79,9.79 263.84,9.55 263.85,9.25
Net-(D63-Pad2) on Bottom: 265.76,5.77 265.96,5.55 266.1,5.35 266.19,5.16 266.24,4.98 266.27,4.8 266.29,4.61 266.3,4.41 266.33,4.2 266.37,3.97 266.44,3.71 268.07,3.68 268.04,5.3 267.78,5.38 267.55,5.42 267.33,5.44 267.14,5.46 266.95,5.47 266.77,5.5 266.58,5.56 266.39,5.65 266.19,5.79 265.97,5.99
Net-(D64-Pad2) on Bottom: 18.54,74.37 18.43,74.38 18.33,74.4 18.25,74.42 18.19,74.45 18.12,74.49 18.07,74.53 18.01,74.58 17.94,74.63 17.86,74.68 17.77,74.72 17.3,74.27 17.77,73.82 17.86,73.87 17.94,73.92 18.01,73.97 18.07,74.02 18.12,74.06 18.19,74.1 18.25,74.13 18.33,74.15 18.43,74.17 18.54,74.17
Net-(D65-Pad2) on Bottom: 54.81,74.52 54.74,74.46 54.68,74.43 54.62,74.43 54.56,74.45 54.5,74.48 54.44,74.53 54.32,74.63 54.25,74.68 54.17,74.72 53.7,74.27 54.31,73.92 54.38,73.99 54.44,74.04 54.5,74.07 54.56,74.11 54.68,74.17 54.74,74.2 54.8,74.24 54.87,74.3 54.95,74.38
Net-(D66-Pad2) on Bottom: 91.34,74.37 91.23,74.38 91.13,74.4 91.05,74.42 90.98,74.45 90.92,74.49 90.86,74.53 90.8,74.58 90.74,74.63 90.66,74.68 90.57,74.72 90.1,74.27 90.57,73.82 90.66,73.87 90.74,73.92 90.8,73.97 90.86,74.02 90.92,74.06 90.98,74.1 91.05,74.13 91.13,74.15 91.23,74.17 91.34,74.17
Net-(D67-Pad2) on Bottom: 127.74,74.37 127.63,74.38 127.53,74.4 127.45,74.42 127.38,74.45 127.32,74.49 127.26,74.53 127.2,74.58 127.14,74.63 127.06,74.68 126.97,74.72 126.5,74.27 126.97,73.82 127.06,73.87 127.14,73.92 127.2,73.97 127.26,74.02 127.32,74.06 127.38,74.1 127.45,74.13 127.53,74.15 127.63,74.17 127.74,74.17
Net-(D68-Pad2) on Bottom: 164.14,74.37 164.02,74.38 163.93,74.4 163.85,74.42 163.78,74.45 163.72,74.49 163.66,74.53 163.6,74.58 163.54,74.63 163.46,74.68 163.37,74.72 162.9,74.27 163.37,73.82 163.46,73.87 163.54,73.92 163.6,73.97 163.66,74.02 163.72,74.06 163.78,74.1 163.85,74.13 163.93,74.15 164.02,74.17 164.14,74.17
Net-(D69-Pad2) on Bottom: 200.54,74.37 200.42,74.38 200.33,74.4 200.25,74.42 200.18,74.45 200.12,74.49 200.06,74.53 200,74.58 199.94,74.63 199.86,74.68 199.77,74.72 199.3,74.27 199.77,73.82 199.86,73.87 199.94,73.92 200,73.97 200.06,74.02 200.12,74.06 200.18,74.1 200.25,74.13 200.33,74.15 200.42,74.17 200.54,74.17
Net-(D70-Pad2) on Bottom: 236.94,74.37 236.82,74.38 236.73,74.4 236.65,74.42 236.58,74.45 236.52,74.49 236.46,74.53 236.4,74.58 236.33,74.63 236.26,74.68 236.17,74.72 235.7,74.27 236.17,73.82 236.26,73.87 236.33,73.92 236.4,73.97 236.46,74.02 236.52,74.06 236.58,74.1 236.65,74.13 236.73,74.15 236.82,74.17 236.94,74.17
Net-(D72-Pad2) on Bottom: 261.21,20.81 261.3,20.72 261.36,20.63 261.41,20.55 261.45,20.47 261.48,20.4 261.51,20.33 261.54,20.25 261.58,20.18 261.64,20.09 261.71,20 262.32,20.22 262.07,20.82 261.98,20.82 261.9,20.81 261.82,20.8 261.75,20.79 261.69,20.79 261.62,20.79 261.56,20.81 261.49,20.84 261.42,20.89 261.35,20.95
Net-(D73-Pad4) on Bottom: 48.17,20.81 48.26,20.72 48.32,20.63 48.37,20.55 48.41,20.47 48.44,20.4 48.47,20.33 48.51,20.25 48.55,20.18 48.6,20.09 48.67,20 49.28,20.22 49.04,20.82 48.94,20.82 48.86,20.81 48.79,20.8 48.72,20.79 48.65,20.79 48.58,20.79 48.52,20.81 48.45,20.84 48.38,20.89 48.31,20.95
Net-(D74-Pad4) on Bottom: 87.52,19.7 87.59,19.76 87.66,19.81 87.73,19.84 87.79,19.86 87.86,19.86 87.92,19.86 87.99,19.85 88.07,19.84 88.15,19.83 88.24,19.83 88.49,20.43 87.88,20.65 87.81,20.56 87.75,20.47 87.71,20.39 87.68,20.32 87.65,20.25 87.62,20.18 87.58,20.1 87.53,20.02 87.46,19.93 87.38,19.84
Net-(D75-Pad4) on Bottom: 120.97,20.81 121.06,20.72 121.12,20.63 121.17,20.55 121.21,20.47 121.24,20.4 121.27,20.33 121.31,20.25 121.35,20.18 121.4,20.09 121.47,20 122.08,20.22 121.84,20.82 121.74,20.82 121.66,20.81 121.59,20.8 121.51,20.79 121.45,20.79 121.38,20.79 121.32,20.81 121.25,20.84 121.18,20.89 121.11,20.95
Net-(D77-Pad4) on Bottom: 190.96,20.82 191.05,20.72 191.12,20.64 191.17,20.56 191.2,20.48 191.24,20.41 191.26,20.34 191.3,20.26 191.34,20.18 191.39,20.1 191.46,20.01 192.07,20.22 191.83,20.82 191.74,20.82 191.66,20.81 191.58,20.8 191.51,20.79 191.44,20.79 191.38,20.8 191.31,20.81 191.25,20.85 191.18,20.89 191.1,20.96
Net-(R3-Pad2) on Bottom: 31.44,49.46 31.45,49.57 31.46,49.67 31.48,49.75 31.5,49.82 31.53,49.88 31.57,49.94 31.65,50.07 31.7,50.14 31.74,50.23 31.29,50.7 30.84,50.23 30.89,50.14 30.93,50.07 31.01,49.94 31.05,49.88 31.08,49.82 31.11,49.75 31.13,49.67 31.14,49.57 31.14,49.46
Net-(R3-Pad2) on Bottom: 31.85,43.38 31.79,43.45 31.75,43.52 31.72,43.58 31.71,43.64 31.71,43.7 31.71,43.76 31.73,43.83 31.77,43.98 31.78,44.06 31.22,44.39 30.94,43.8 31.02,43.72 31.1,43.66 31.17,43.61 31.24,43.57 31.38,43.5 31.45,43.45 31.53,43.4 31.61,43.33 31.71,43.24
Net-(R3-Pad2) on Bottom: 31.14,45.14 31.14,45.03 31.13,44.93 31.11,44.85 31.08,44.78 31.05,44.72 31.01,44.66 30.93,44.53 30.89,44.46 30.84,44.37 31.29,43.9 31.74,44.37 31.7,44.46 31.65,44.53 31.57,44.66 31.53,44.72 31.5,44.78 31.48,44.85 31.46,44.93 31.45,45.03 31.44,45.14

Small or netless copper shapes (teardrops, artwork), in the pictures only: 161 on Top, 406 on Bottom

## Text on the board
B.Mask: RUN | GP26 | GP27 | GP28 | GP29 | 3V3 | 5V | GND | R3 C13 | R1 C13 | i2c | pi60HSE v1.1 by 1upkeyboards.com
